# Altium PCB graviton.PcbDoc (part 5 of 15)
Units mm, origin at the board's own origin, x right, y up, seen from the top; angles counter-clockwise.
Board outline 200 x 200 mm, 10 copper layers (TOP, POLYGON1, S1, POLYGON2, POLYGON3, POLYGON4, POLYGON5, S2, POLYGON6, BOT), stack 1.751 mm thick; 1317 components, 712 nets, 5121 pads, 3994 vias.
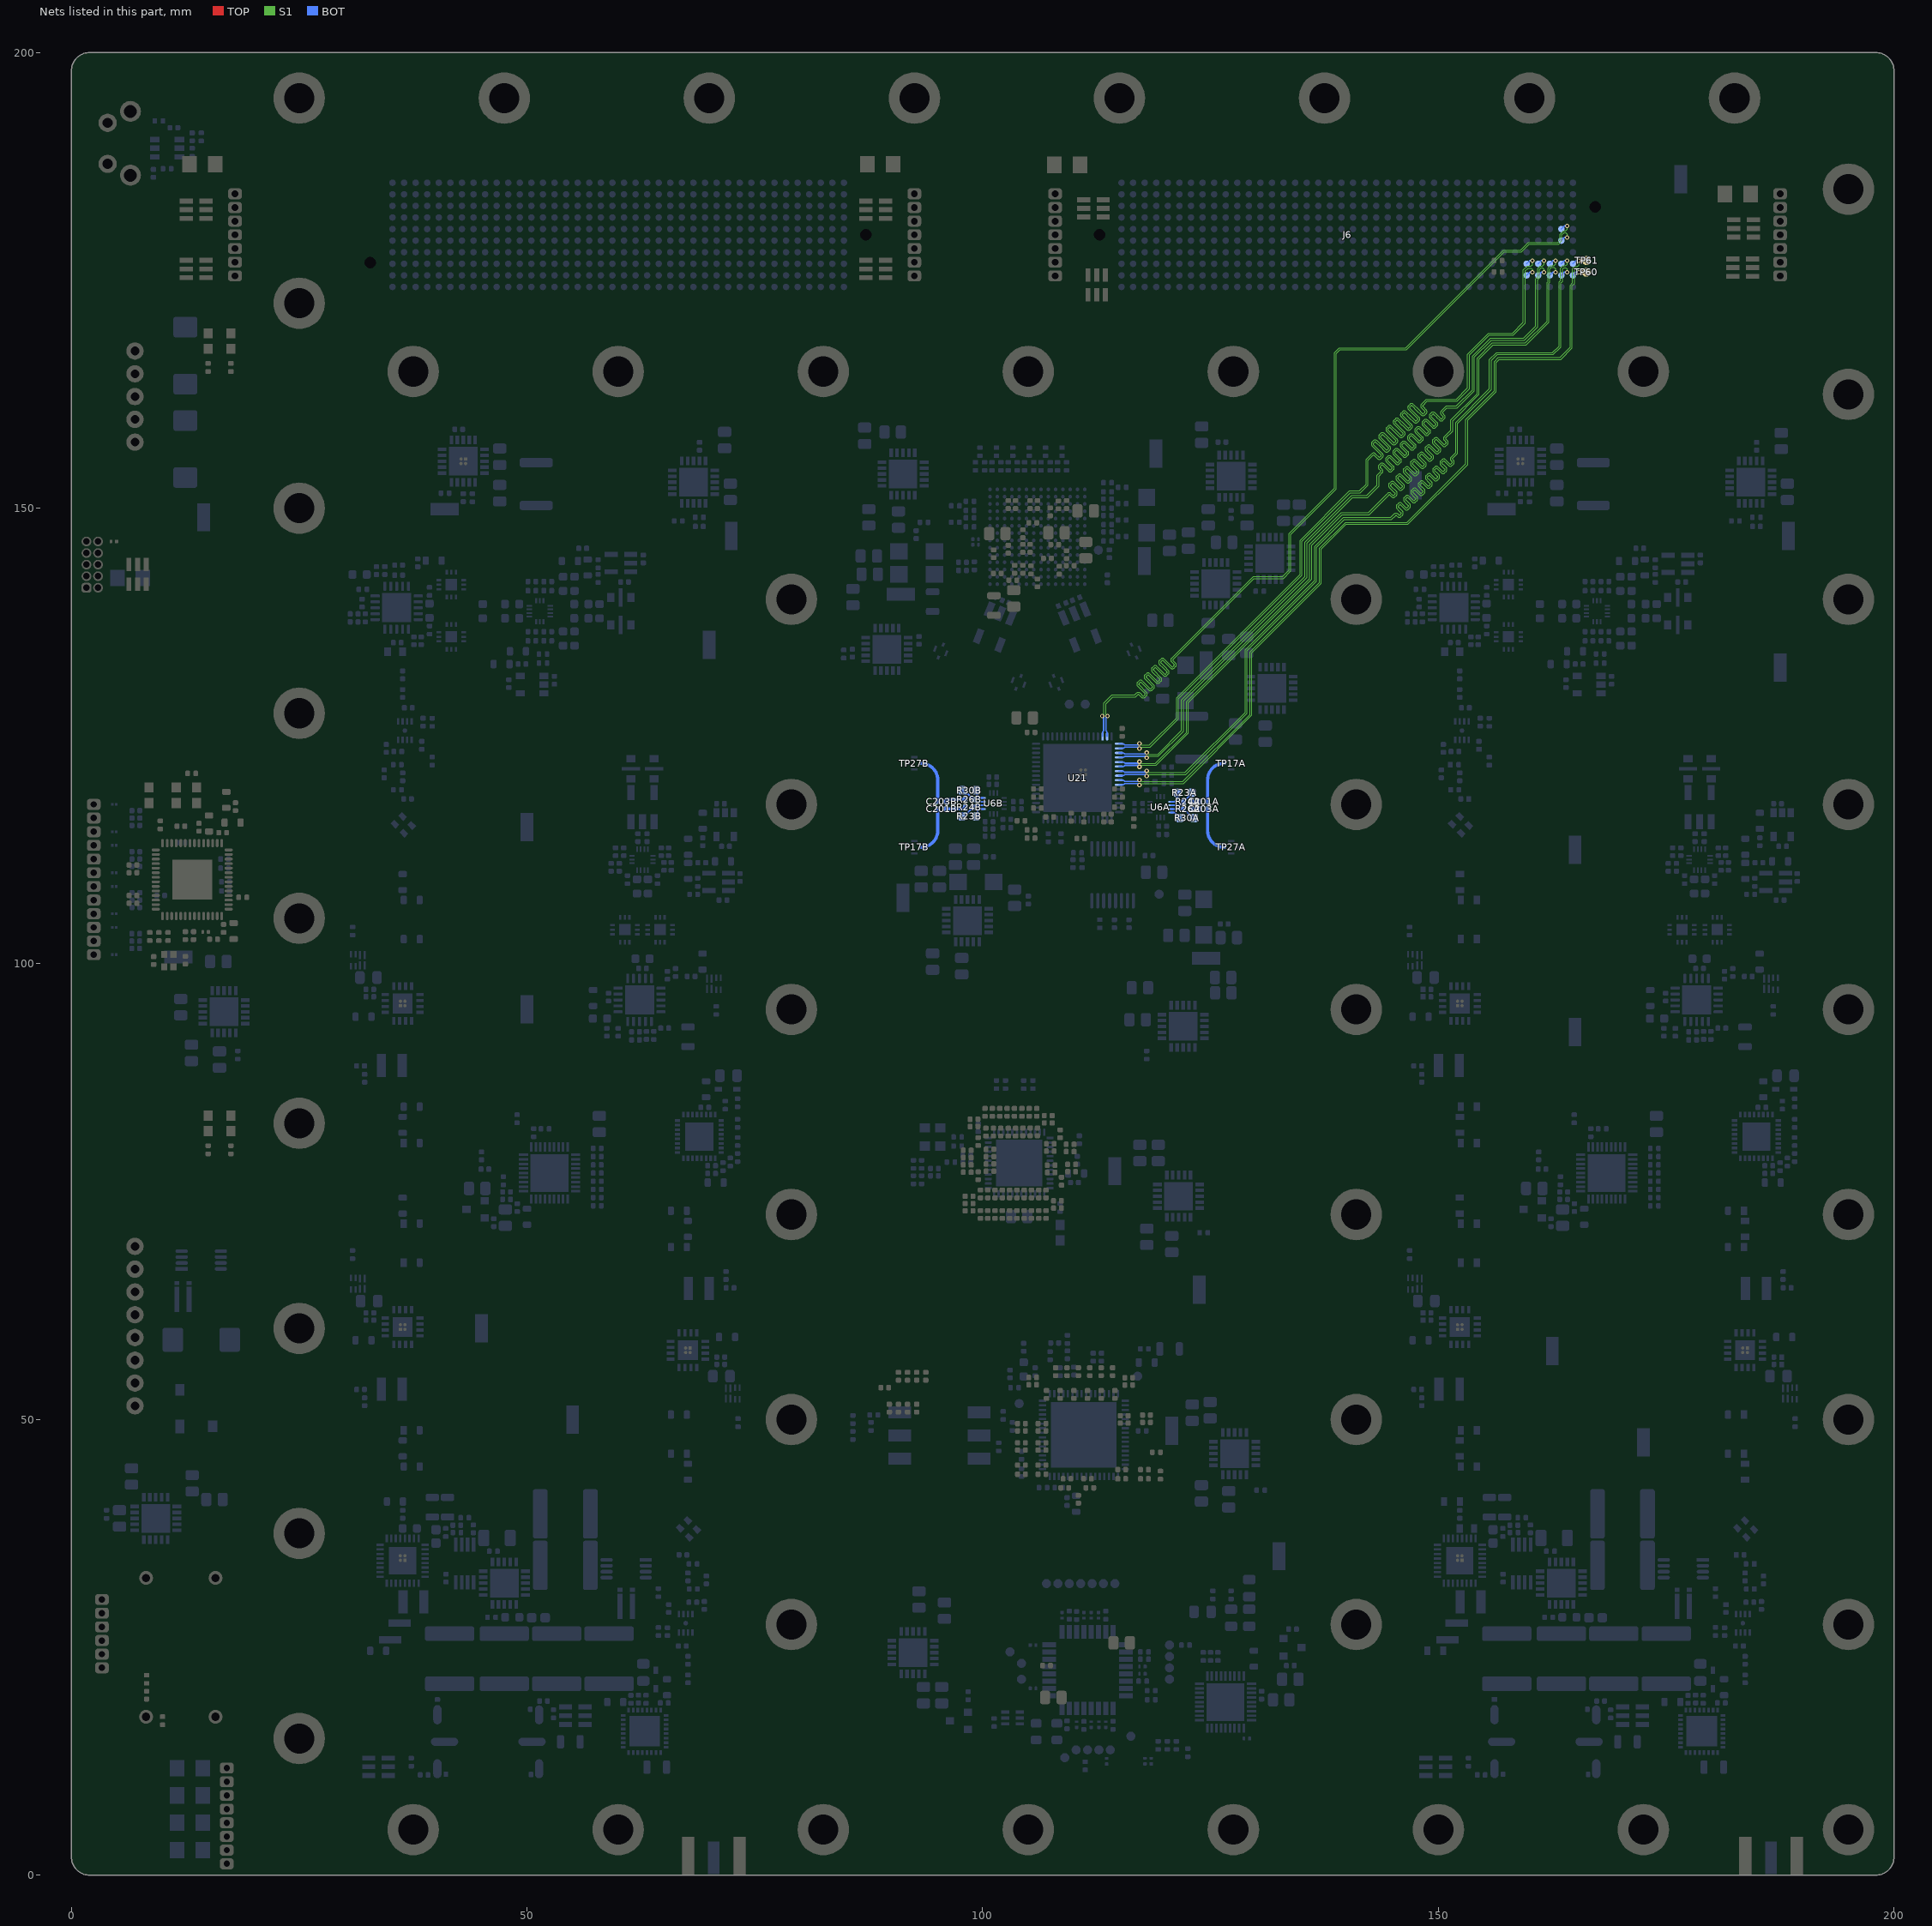
[diagram p13: the nets of this part, all layers, seen from the top]

## Part data (continued)
J11: library part "Header 8", "Through-hole Shrouded Header 8-Position", Manufacturer=JST, Manufacturer P/N=B8B-ZR(LF)(SN)
L1A L1B L2A L2B L20A L20B L25A L25B L26A L26B L30A L30B L31A L31B L46A L46B: library part INDUCTANCE1, "Ferrite Bead 2.2k@100MHz 150mA 0402", Manufacturer=TDK, Package=0402, Manufacturer P/N=MMZ1005A222ET000, Tr=-55:125
L3A L3B: library part INDUCTOR, "Inductor 5.6nH ±0.2nH 650mA", Manufacturer=Murata, Manufacturer P/N=LQG15HS5N6C02D
L7 L8 L9 L14 L16 L19: library part INDUCTANCE1, "Ferrite Bead 1k@100MHz 1.5A 1806", Manufacturer=Murata, Package=1806, Manufacturer P/N=BLM41PG102SN1L, Tr=-55:125
L13A L13B L13C L13D L13E L13F: library part INDUCTOR, "Inductor 15nH 1A", Manufacturer=Coilcraft, Manufacturer P/N=1008CS-150XJB
L17A L17B: library part INDUCTOR, "Inductor 900nH ±5% 1008", Manufacturer=Coilcraft, Package=1008, Tolerance=±5%, Manufacturer P/N=1008AF-901XJLC, Tr=-40:125
L18A L18B: library part INDUCTOR, "Inductor 5.4nH ±2% SMD", Manufacturer=Coilcraft, Package=0906-5L, Tolerance=±2%, Manufacturer P/N=0906-5GL, Tr=-40:140
L27A L27B L27C L27D: library part INDUCTOR, "Inductor 10nH ±5% 500mA", Manufacturer=Murata, Manufacturer P/N=LQG15HS10NJ02D
L28A L28B L28C L28D: library part INDUCTOR, "Inductor 8.2nH ±3% 550mA", Manufacturer=Murata, Manufacturer P/N=LQG15HS8N2H02D
L29A L29B L29C L29D: library part INDUCTOR, "Inductor 100nH ±5% 0402", Manufacturer=Murata, Package=0402, Tolerance=±5%, Manufacturer P/N=LQW15ANR10J00D, Tr=-55:125
L32A L32B: library part "IND 0603", "Inductor 4.7nH ±0.3nH 0603", Manufacturer=Murata, Package=0603, Tolerance=±0.3nH, Manufacturer P/N=LQG18HN4N7S00D, Tr=-55:125
MB1: "Magnetic Buzzer", Manufacturer="CUI, Inc.", Manufacturer P/N=CSS-0578
MS1A MS1B: "VSWR Meter Stripline"
P1: "2.5mm pitch right angle 8-position", Manufacturer=JST, Manufacturer P/N=S8B-XH-A
P2: "1.5mm pitch right angle 12-position", Manufacturer=JST, Manufacturer P/N=S12B-ZR
P3: "2.5mm pitch right angle 5-position", Manufacturer=JST, Manufacturer P/N=S5B-XH-A
Q11: library part 2N3904, "NPN General Purpose Amplifier", Manufacturer="Fairchild Semiconductor", Manufacturer P/N=MMBT3904
R1A R1B: "Current Sense Resistor 47 mOhms +/-1% SMD 4-Terminal", Manufacturer=Susumu, Tolerance=±1%, Manufacturer P/N=KRL3216T4A-M-R047-F-T1, Tr=-55:+155
R2 R5 R33 R34: library part "RES 0603", "Thin Film Resistor 25 Ohm ±0.1% 0402", Manufacturer=Vishay, Package=0402, Tolerance=±0.1%, Manufacturer P/N=FC0402E25R0BST0, Tr=-55:155
R3 R4 R6 R7 R42 R43 R53 R54 R88 R89: library part "RES 0402", "Thick Film 150 ±1% 0402", Manufacturer=Panasonic, Package=0402, Tolerance=±1%, Manufacturer P/N=ERJ-2RKF1500X, Tr=-55:155
  R88 R89: Do Not Place=DNP
R8 R9 R51 R52: library part "RES 0402", "Thin Film Resistor 127 ±0.1% 0402", Manufacturer=Panasonic, Package=0402, Tolerance=±0.1%, Manufacturer P/N=ERA-2AEB1270X, Tr=-55:155
R10 R15A R15B R37A R37B R48 R49 R50 R59 R60 R62 R63 R66 R92A R92B R141 R142 R165 R177A R177B R178A R178B R179A R179B R180A R180B R181A R181B R182A R182B R183A R183B R200 R239 R243 R254A R254B: library part "RES 0402", "Thick Film Resistor 10k ±1% 0.1W 50V 0402", Manufacturer=Panasonic, Package=0402, Tolerance=±1%, Manufacturer P/N=ERJ-2RKF1002X, Tr=-55:155
R11 R12 R55 R56: library part "RES 0402", "Thin Film Resistor 82.5 ±0.1% 0402", Manufacturer=Panasonic, Package=0402, Tolerance=±0.1%, Manufacturer P/N=ERA-2AEB82R5X, Tr=-55:155
R13A R13B R61 R69A R69B R70A R70B R71A R71B R72A R72B R73A R73B R74A R74B R75A R75B R76 R77 R78 R104 R107 R134A R134B R174 R176A R176B R186A R186B R187A R187B R237 R244 R245 R252: library part "RES 0402", "Thick Film Resistor 1k ±1% 0402", Manufacturer=Yageo, Package=0402, Tolerance=±1%, Manufacturer P/N=RC0402FR-071KL, Tr=-55:155
R14 R19 R58 R86 R87 R138 R196 R197 R242: library part "RES 0402", "Thick Film Resistor 39 ±1% 0402", Manufacturer=Yageo, Package=0402, Tolerance=±1%, Manufacturer P/N=RC0402FR-0739RL, Tr=-55:155
R15: library part "RES 0603", "Thick Film Resistor Jumper 0402", Manufacturer=Panasonic, Package=0402, Manufacturer P/N=ERJ-2GE0R00X, Tr=-55:155
R16: library part "RES 0402", "Thin Film Resistor 10 Ohm ±1% 0402", Manufacturer=Vishay, Package=0402, Tolerance=±1%, Manufacturer P/N=MCS04020C1009FE000, Tr=-55:155
R17: library part "RES 0603", "Thin Film Resistor 3.9k ±0.1% 0603", Manufacturer=Panasonic, Package=0603, Tolerance=±0.1%, Manufacturer P/N=ERA-3AEB392V, Tr=-55:155
R18 R102 R161 R163: library part "RES 0402", "Thin Film Resistor 100 ±0.1% 0402", Manufacturer=Panasonic, Package=0402, Tolerance=±0.1%, Manufacturer P/N=ERA-2AEB101X, Tr=-55:155
R20 R21 R22 R47A R47B R105 R106 R127A R127B R127C R127D R137 R162: library part "RES 0402", "Thick Film Resistor 22 ±1% 0402", Manufacturer=Yageo, Package=0402, Tolerance=±1%, Manufacturer P/N=RC0402FR-0722RL, Tr=-55:155
R23A R23B R30A R30B R99A R99B R109A R109B R113A R113B: library part "RES 0603", "Thin Film Resistor 200 Ohm ±1% 0603", Manufacturer=Vishay, Package=0603, Tolerance=±1%, Manufacturer P/N=MCT06030C2000FP500, Tr=-55:155
R24A R24B R25A R25B R26A R26B R29A R29B R191A R191B R192A R192B R193A R193B R194A R194B: library part "RES 0603", "Thin Film RF Resistor 50 Ohm ±0.1% 0402", Manufacturer=Vishay, Package=0402, Tolerance=±0.1%, Manufacturer P/N=FC0402E50R0BST1, Tr=-55:155
R27: library part "RES 0402", "Thin Film Resistor 1.96k ±0.1% 0402", Manufacturer=Panasonic, Package=0402, Tolerance=±0.1%, Manufacturer P/N=ERA-2AEB1961X, Tr=-55:155
R28A R28B: library part "RES 0402", "Thick Film 68 ±1% 0603", Manufacturer=Vishay, Package=0603, Tolerance=±1%, Manufacturer P/N=MCT06030C6809FP500, Tr=-55:155
R31A R31B R35A R35B R45A R45B R46A R46B: library part "RES 0603", "Thin Film Resistor 49.9 Ohm ±0.5% 0603", Manufacturer=Vishay, Package=0603, Tolerance=±0.5%, Manufacturer P/N=MCT0603PD4999DP500, Tr=-55:155
R32A R32B R36A R36B: library part "RES 0603", "Thin Film Resistor 249 Ohm ±0.1% 0402", Manufacturer=Vishay, Package=0402, Tolerance=±0.1%, Manufacturer P/N=MCS0402MD2490BE100, Tr=-55:155
R38A R38B R117A R117B: library part RES, "Thin Film Resistor 5.76k +/-0.1% SMD 0402", Manufacturer=Yageo, Package=0402, Tolerance=±0.1%, Manufacturer P/N=RT0402BRE075K76L, Tr=-55:155
R39A R39B R64A R64B R64C R64D R64E R64F R85 R139 R175A R175B: library part RES, "Thick Film Resistor 10k ±1% 0.1W 50V 0402", Manufacturer=Panasonic, Package=0402, Power=0.1, Tolerance=±1%, Voltage=50, Manufacturer P/N=ERJ-2RKF1002X, Tcr=±100, Tr=-55:155
R40A R40B R97A R97B R111A R111B: library part "RES 0603", "Thin Film Resistor 100 Ohm ±0.5% 0603", Manufacturer=Vishay, Package=0603, Tolerance=±0.5%, Manufacturer P/N=MCT0603MD1000DP500, Tr=-55:175
R41A R41B R120A R120B: library part RES, "Thin Film Resistor 5.49k +/-0.1% SMD 0402", Manufacturer=Panasonic, Package=0402, Tolerance=±0.1%, Manufacturer P/N=ERA-2AEB5491X, Tr=-55:155
R44A R44B: library part "RES 0603", "Thin Film Resistor 75 Ohm ±0.1% 0603", Manufacturer=Vishay, Package=0603, Tolerance=±0.1%, Manufacturer P/N=MCT0603MD7509BP100, Tr=-55:155
R57: library part "RES 0402", "Thick Film Resistor 680 ±1% 0402", Manufacturer=Yageo, Package=0402, Tolerance=±1%, Manufacturer P/N=RC0402FR-07680RL, Tr=-55:155
R65A R65B R65C R65D R65E R65F: library part RES, "Thin Film Resistor 100 +/-0.1% SMD 0805", Manufacturer=Susumu, Package=0805, Tolerance=±0.1%, Manufacturer P/N=RG2012P-101-B-T5, Tr=-55:155
R67A R67B R256A R256B: library part RES, "Thin Film Resistor 300 +/-0.1% SMD 0805", Manufacturer=Susumu, Package=0805, Tolerance=±0.1%, Manufacturer P/N=RG2012P-301-B-T5, Tr=-55:155
R68: "Current Sense Resistor 8 mOhms +/-1% SMD 4-Terminal", Manufacturer=Susumu, Tolerance=±1%, Manufacturer P/N=KRL3216T4A-M-R008-F-T1, Tr=-55:+155
R79: library part RES, "Thin Film Resistor 255k +/-0.1% SMD 0805", Manufacturer=Vishay, Package=0805, Tolerance=±0.1%, Manufacturer P/N=PTN0805E2553BST1, Tr=-55:155
R80 R84: library part RES, "Thin Film Resistor 6.8k +/-0.1% SMD 0805", Manufacturer=Susumu, Package=0805, Tolerance=±0.1%, Manufacturer P/N=RG2012P-682-B-T5, Tr=-55:155
R81 R83 R153A R153B: library part RES, "Thin Film Resistor 2k +/-0.5% SMD 0402", Manufacturer=Susumu, Package=0402, Tolerance=±0.5%, Manufacturer P/N=RR0510P-202-D, Tr=-55:155
R82: library part RES, "Thin Film Resistor 11.5k +/-0.1% SMD 0805", Manufacturer=Yageo, Package=0805, Tolerance=±0.1%, Manufacturer P/N=RT0805BRD0711K5L, Tr=-55:155
R90A R90B R91A R91B R201 R204 R207 R210 R213 R216 R219 R222 R225 R228 R231 R234: library part "RES 0603", "Thin Film Resistor 33 Ohm ±1% 0402", Manufacturer=Vishay, Package=0402, Tolerance=±1%, Manufacturer P/N=MCS04020C3309FE000
  R90A R90B R91A R91B: Tr=-55:155
  R201 R204 R207 R210 R213 R216 R219 R222 R225 R228 R231 R234: Tr=-55:150
R98A R98B R100A R100B R110A R110B R112A R112B R114A R114B: library part "RES 0603", "Thin Film Resistor 150 Ohm ±0.5% 0603", Manufacturer=Vishay, Package=0603, Tolerance=±0.5%, Manufacturer P/N=MCT0603MD1500DP500, Tr=-55:155
R116A R116B: library part RES, "Thick Film Resistor 100k ±1% 0.1W 50V 0402", Manufacturer=Panasonic, Package=0402, Power=0.1, Tolerance=±1%, Voltage=50, Manufacturer P/N=ERJ-2RKF1003X, Tcr=±100, Tr=-55:155
R119A R119B R188A R188B: library part RES, "Thick Film Resistor 150k ±1% 0.1W 50V 0402", Manufacturer=Panasonic, Package=0402, Power=0.1, Tolerance=±1%, Voltage=50, Manufacturer P/N=ERJ-2RKF1503X, Tcr=±100, Tr=-55:155
R124A R124B R124C R124D: library part "RES 0603", "Thin Film Resistor 499 Ohm ±0.5% 0402", Manufacturer=Vishay, Package=0402, Tolerance=±0.5%, Manufacturer P/N=MCS0402PD4990DE500, Tr=-55:175
R125A R125B R125C R125D: library part "RES 0402", "Thick Film Resistor 9.1k ±1% 0.1W 50V 0402", Manufacturer=Panasonic, Package=0402, Tolerance=±1%, Manufacturer P/N=ERJ-2RKF9101X, Tr=-55:155
R126A R126B R126C R126D: library part "RES 0603", "Thin Film Resistor 1k Ohm ±0.5% 0402", Manufacturer=Vishay, Package=0402, Tolerance=±0.5%, Manufacturer P/N=MCS0402PD1001DE500, Tr=-55:175
R130A R130B R133A R133B: library part "RES 0402", "Thin Film Resistor 523 ±0.1% 0402", Manufacturer=Panasonic, Package=0402, Tolerance=±0.1%, Manufacturer P/N=ERA-2AEB5230X, Tr=-55:155
R140 R157 R158: library part "RES 0402", "Thin Film Resistor 49.9 ±0.1% 0402", Manufacturer=Panasonic, Package=0402, Tolerance=±0.1%, Manufacturer P/N=ERA-2AEB49R9X, Tr=-55:155
R152A R152B: library part RES, "Thin Film Resistor 10.5k +/-0.5% SMD 0402", Manufacturer=Yageo, Package=0402, Power=0.063W, Tolerance=±0.5%, Manufacturer P/N=RT0402DRD0710K5L, Tr=-55:155
R159: library part "RES 0402", "Thick Film Resistor 4.99k ±1% 0402", Manufacturer=Panasonic, Package=0402, Tolerance=±1%, Manufacturer P/N=ERJ-2RKF4991X, Tr=-55:155
R169A R169B: library part RES, "Thin Film Resistor 3.32k +/-0.1% SMD 0402", Manufacturer=Yageo, Package=0402, Power=0.063W, Tolerance=±0.1%, Manufacturer P/N=RT0402BRD073K32L, Tr=-55:155
R170A R170B: library part RES, "Thin Film Resistor 1.02k +/-0.1% SMD 0402", Manufacturer=Yageo, Package=0402, Tolerance=±0.1%, Manufacturer P/N=RT0402BRD071K02L, Tr=-55:155
R171 R173: library part RES, "Thick Film Resistor 4.7k ±1% 0.1W 75V 0402", Manufacturer=Panasonic, Package=0402, Power=0.1, Tolerance=±1%, Voltage=75, Manufacturer P/N=ERJ-2RKF4701X, Tcr=±100, Tr=-55:155
R172: library part "RES 0402", "Thick Film Resistor 5.9k ±1% 0402", Manufacturer=Yageo, Package=0402, Tolerance=±1%, Manufacturer P/N=RC0402FR-075K9L, Tr=-55:155
R189A R189B: library part RES, "Thick Film Resistor 75k ±1% 0.1W 50V 0402", Manufacturer=Panasonic, Package=0402, Power=0.1, Tolerance=±1%, Voltage=50, Manufacturer P/N=ERJ-2RKF7502X, Tcr=±100, Tr=-55:155
R190A R190B R195A R195B: library part "RES 0603", "Thin Film RF Resistor 200 Ohm ±0.1% 0402", Manufacturer=Vishay, Package=0402, Tolerance=±0.1%, Manufacturer P/N=FC0402E2000BTT0, Tr=-55:155
R198: library part "RES 0402", "Thick Film Resistor 215 ±1% 0402", Manufacturer=Yageo, Package=0402, Tolerance=±1%, Manufacturer P/N=RC0402FR-07215RL, Tr=-55:155
R202 R203 R205 R206 R208 R209 R211 R212 R214 R215 R217 R218 R220 R221 R223 R224 R226 R227 R229 R230 R232 R233 R235 R236: library part "RES 0603", "Thin Film Resistor 49.9 Ohm ±1% 0402", Manufacturer=Vishay, Package=0402, Tolerance=±1%, Manufacturer P/N=MCS04020C4999FE000, Tr=-55:150
R253A R253B: library part RES, "Thin Film Resistor 215k +/-0.1% SMD 0603", Manufacturer=Panasonic, Package=0603, Power=0.1W, Tolerance=±0.1%, Manufacturer P/N=ERA-3AEB2153V, Tr=-55:155
R255A R255B: library part RES, "Thin Film Resistor 11.3k +/-0.1% SMD 0402", Manufacturer=Yageo, Package=0402, Power=0.063W, Tolerance=±0.1%, Manufacturer P/N=RT0402BRD0711K3L, Tr=-55:155
S1: "Tactile Switch; Normally Open", Manufacturer=Panasonic, Manufacturer P/N=EVQ-PF006K
SL1 SL2: library part RES, "Solder Link, Open", Notes=Open
SL3 SL6 SL7 SL8 SL9 SL11 SL12 SL13 SL14 SL15 SL16 SL17 SL18 SL19 SL21 SL23 SL25 SL26: library part RES, "Solder Link, Bridged", Notes=Short
T1A T1B: library part TC1-1TG2+, "RF Transformer 0.5 to 300MHz SMD", Manufacturer=Mini-Circuits, Manufacturer P/N=TC4-1TG2+
T3 T4: "RF Transformer 0.4 to 500MHz SMD", Manufacturer=Mini-Circuits, Manufacturer P/N=TC1-1TG2+
TP1 TP2 TP3 TP4 TP15 TP33 TP34 TP35 TP36 TP37 TP38 TP39 TP40 TP41 TP42 TP43 TP44 TP46 TP47 TP48 TP49 TP50 TP51 TP53 TP60 TP61 TP62 TP63: "Test Point SMD"
TP5 TP6 TP7 TP8 TP9 TP10 TP11 TP12 TP13 TP14 TP18 TP19 TP20 TP21 TP22 TP23 TP24 TP25 TP26 TP29A TP29B TP54 TP55 TP56 TP57 TP58 TP68A TP68B: library part TEST_POINT_SMD_50, "Test Point SMD", Manufacturer=Keystone, Manufacturer P/N=5015, Notes="SMD Loop"
TP17A TP17B TP27A TP27B TP28 TP30 TP59 TP67: "Coaxial Connector Switch", Manufacturer=Hirose, Manufacturer P/N=MS-180(20)
U1: library part LMK04828, "Low-Noise Clock Jitter Cleaner with Dual Loop PLLs", Manufacturer="Texas Instruments", Manufacturer P/N=LMK04826B
U2: "High Speed Quad DAC, 16-bit, 1.25GSPS", Manufacturer="Texas Instruments", Manufacturer P/N=DAC3484IZAY
U3A U3B U23: "High-Side Current-Sense Amplifier", Manufacturer=Maxim, Manufacturer P/N=MAX4080SAUA+
U4A U4B: "RF Amp Chip Single Power Amplifier 1.1GHz 32V 32-Pin QFN", Package="QFN-32 Analog Devices", Availability=Bad, MF="Analog Devices", MP=HMC1099LP5DE, Price="92.57 USD", SnapEDA_Link=https://www.snapeda.com/parts/HMC1099LP5DE/Analog%20Devices%20/%20Linear%20Technology/view-part/?ref=snap
U5 U54A U54B: "Analog Monitoring & Control IC", Manufacturer="Texas Instruments", Package=VQFN-36, Manufacturer P/N=AMC7891SRHHT
U6A U6B U17A U17B U22A U22B: "2.8 GHz Ultra Linear Fully Differential Amplifier", Manufacturer="Texas Instruments", Manufacturer P/N=LMH6554LE
U7: library part LMK04133, "Clock Jitter Cleaner with Cascaded PLLs", Manufacturer="Texas Instruments", Manufacturer P/N=LMK04133SQ
U8: "4-Bit Dual-Supply Bus Transceiver", Manufacturer="Texas Instruments", Manufacturer P/N=SN74AVC4T774PWR
U9 U10A U10B U14A U14B U14C U14D U14E U14F U63A U63B: "Analog Temperature Sensor", Manufacturer="Texas Instruments", Package=DSBGA-4, Manufacturer P/N=LM20SITL
U11A U11B: "3.3V Fixed-Output LDO", Manufacturer="Texas Instruments", Manufacturer P/N=TLV76033DBZ
U12A U12B U12C U12D U12E U12F U18A U18B: "High-Side Load Switch", Manufacturer=Silego, Package="WFDFN-8 Silego", Manufacturer P/N=SLG59M611V
U13A U13B U13C U13D U13E U13F: "RF Amp Chip Single GP 2.4GHz 6V 16-Pin QFN EP T/R", Manufacturer="NXP Semiconductors", Package="QFN-16 NXP Semiconductors", Manufacturer P/N=MMG3006NT1
U15A U15B: "Digital Step Attenuaator, 9kHz-6GHz", Manufacturer="Peregrine Semiconductor", Manufacturer P/N=PE43713
U16A U16B U20A U20B: library part LT1761IS5-5, "100mA Low Noise LDO 5V", Manufacturer="Linear Technology", Manufacturer P/N=LT1761IS5-5
U19A U19B U24A U24B: "200mA Low Noise negative-LDO", Manufacturer="Linear Technology", Manufacturer P/N=LT1964IS5-BYP
U21: "Dual-Channel, 16-Bit, 250-MSPS Analog-to-Digital Converter", Manufacturer="Texas Instruments", Manufacturer P/N=ADS42LB69IRG
U25: library part TLV76033DBZ, "3.3V Fixed-Output LDO", Manufacturer="Texas Instruments", Manufacturer P/N=TLV76033DBZ
U26A U26B U26C U26D: "300 to 2200 MHz LNA", Manufacturer=Skyworks, Manufacturer P/N=SKY67150-396LF
U27A U27B U29A U29B U31A U31B U32A U32B: "Reflectionless Low-Pass Filter, DC-150Mhz", Manufacturer=Mini-Circuits, Manufacturer P/N=XLF-151+
U28A U28B U30A U30B: "Upconversion/Downconversion Mixer", Manufacturer=Maxim, Manufacturer P/N=MAX2031ETP
U33 U34 U35 U37 U39 U40 U43 U44 U45 U46 U47: library part TPS7A4701RGW_1, "Low-Dropout Linear Regulator 20-VQFN", Manufacturer="Texas Instruments", Package=VQFN-20, Manufacturer P/N=TPS7A4701RGW
U36: "Alaska Intergrated 1000/100/10 Ethernet PHY", Manufacturer=Marvell, Package=QFN-56, Manufacturer P/N=88E1512
U38: "Buffer Multiplexer", Manufacturer="Texas Instruments", Manufacturer P/N=SN74AUP1T157DCK
U41 U42 U49A U49B: "LDO Regulator, 2A, VQFN-20", Manufacturer="Texas Instruments", Package=VQFN-20, Manufacturer P/N=TPS7A8300ARGW
U48 U60 U61 U65 U66 U67 U68 U69 U70: "4-Lane TVS Diode Array", Manufacturer="On Semiconductor", Manufacturer P/N=NUP4301MR6
U50: library part OSC_25M_NZ2520SB, "Oscillator 8Mhz", Manufacturer=Kyocera, Manufacturer P/N=KC3225A8.00000C3GE00
U52A U52B: library part TPS7A3301RGWT, "Low-Dropout Linear Regulator 20-VQFN", Manufacturer="Texas Instruments", Package=VQFN-20, Manufacturer P/N=TPS7A3301RGW
U53: library part TPS3808, "Low Quiescent Current, Programmable-Delay  Supervisory Circuit", Manufacturer="Texas Instruments", Manufacturer P/N=TPS3808G01DBVR
U55A U55B U55C U55D: "915 MHz SAW Filter", Manufacturer=RFM, Manufacturer P/N=SF2098H
U56A U56B: library part AD8022, "Low Power, Precision Rail-to-Rail Output Op Amp MSOP", Manufacturer="Analog Devices", Manufacturer P/N=AD8622ARMZ
U57A U57B U58A U58B: "RF Detector", Manufacturer="Linear Technology", Manufacturer P/N=LTC5531ES6
U59: "ARM Cortex-M4 MCU + FPU", Manufacturer=STMicroelectronics, Manufacturer P/N=STM32F303K8T6
U62A U62B: "Low-Dropout Linear Regulator 20-VQFN", Manufacturer="Texas Instruments", Package=VQFN-20, Manufacturer P/N=TPS7A4701RGW
U64A U64B: "RF Switch SPDT 30MHz to 2.7GHz 23dB 32-Pin QFN EP T/R", Manufacturer="Peregrine Semiconductor", Package=QFN-32, Manufacturer P/N=PE42820MLBA-X
Y1: library part VX-501, "VCXO, Ultra Low Phase Noise, 490MHz", Manufacturer=Vectron, Manufacturer P/N=VX-501-0071-400M0
Y2: "CRYSTAL, 25.000MHz, 30ppm, 6pF", Freq=25.000MHz, Manufacturer=Murata, Manufacturer P/N=XRCGB25M000F3N00R0
Y3: "Oven Controlled Precision Oscillator, 10MHz", Manufacturer=Vectron, Do Not Place=DNP, Manufacturer P/N=OX-400-0047-40M00

## Via types
v1: diameter 0.75, hole 0.5, TOP to BOT, tented both sides, 2608 vias
v2: diameter 0.508, hole 0.254, TOP to BOT, tented both sides, 628 vias
v3: diameter 0.483, hole 0.254, TOP to BOT, tented both sides, 455 vias
v4: diameter 0.5, hole 0.3, TOP to BOT, tented both sides, 169 vias
v5: diameter 0.635, hole 0.254, TOP to BOT, tented both sides, 86 vias
v6: diameter 0.5, hole 0.254, TOP to BOT, tented both sides, 48 vias
